# Altium PCB UPS.PcbDoc (part 2 of 2)
Units mm, origin at the board's own origin, x right, y up, seen from the top; angles counter-clockwise.
Board outline 100 x 65 mm, 4 copper layers (L1 (THT), L2 (MIXED), L3 (MIXED), L4 (SMD)), stack 0.568 mm thick; 149 components, 78 nets, 448 pads, 180 vias.
Unrouted connection lines stored in the file: 9.
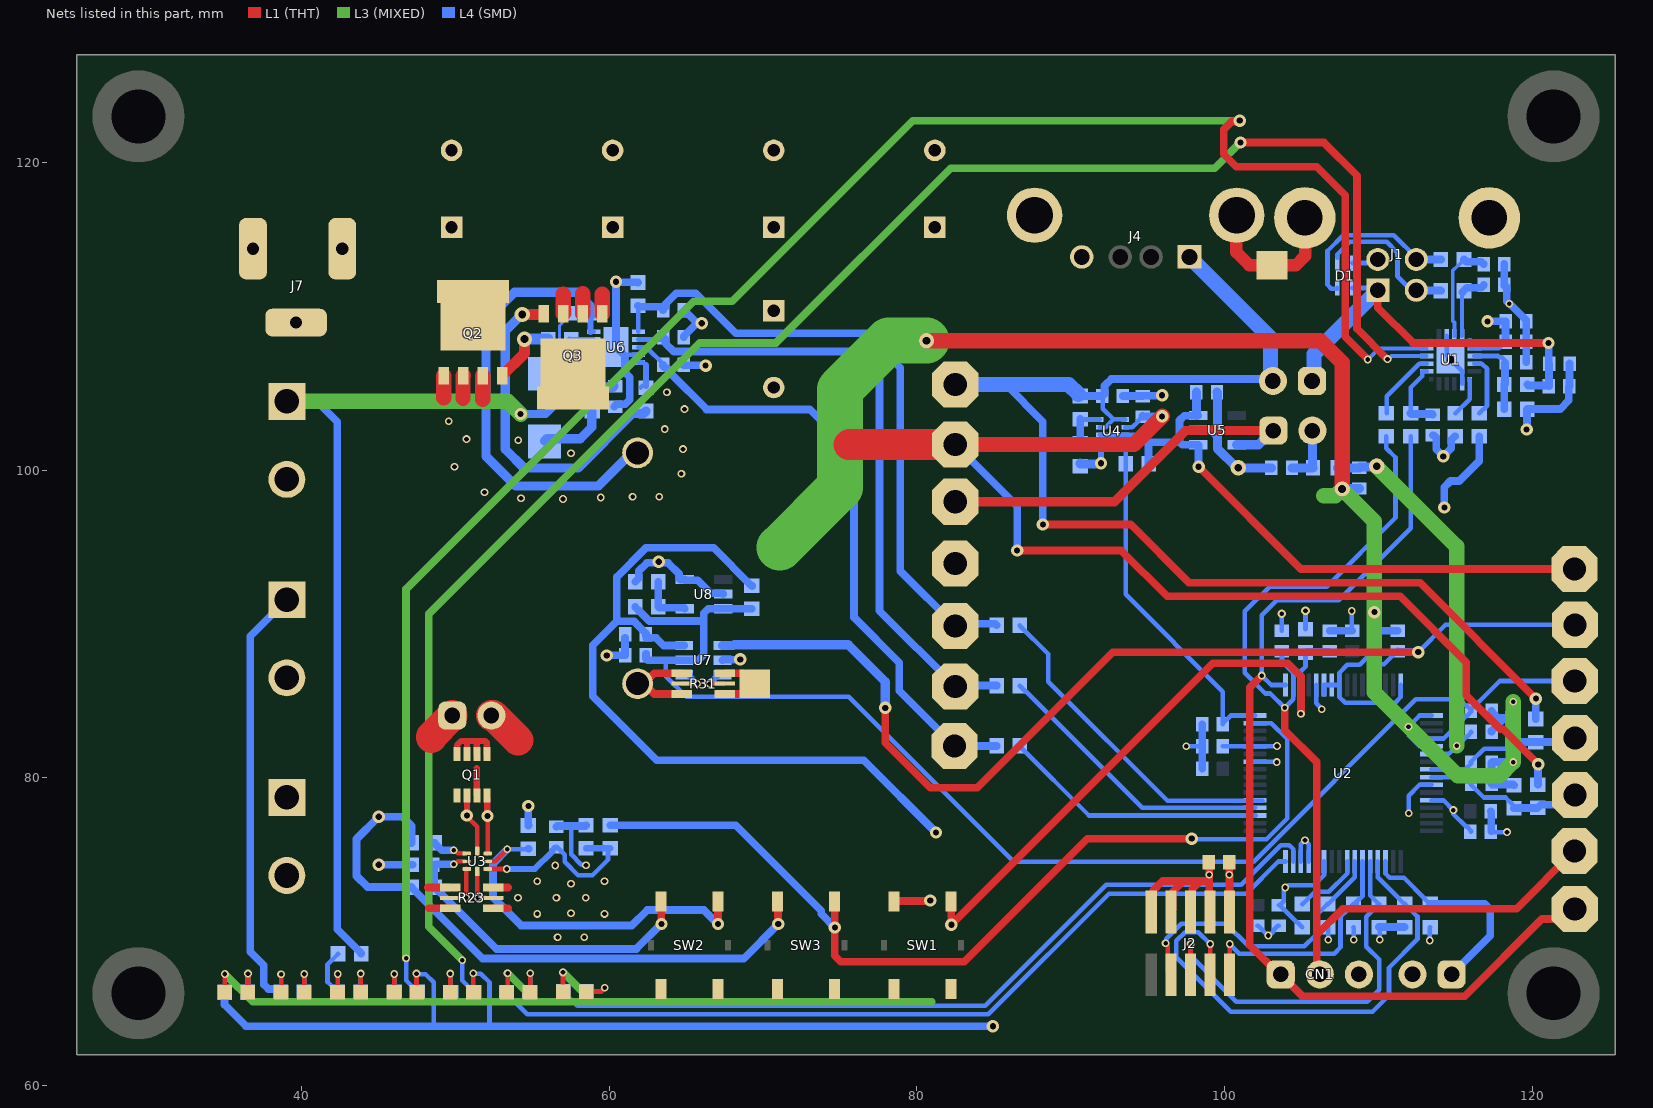
[diagram p4: the nets of this part, all layers, seen from the top]

## Via types
v1: diameter 0.5, hole 0.3, L1 (THT) to L4 (SMD), 84 vias
v2: diameter 0.5, hole 0.5, L1 (THT) to L4 (SMD), 49 vias
v3: diameter 0.8, hole 0.4, L1 (THT) to L4 (SMD), 39 vias
v4: diameter 1, hole 0.5, L1 (THT) to L4 (SMD), 6 vias
v5: diameter 0.56, hole 0.3, L1 (THT) to L4 (SMD), 2 vias

## Nets (pads, with @x,y where several pads share a name; then routed paths per layer and width w, separated by ;. In a path a pad name is that pad's centre, name@x,y a point inside that pad or via, vN(x,y) a via of type N, cw(c..) or ccw(c..) an arc to the next point about the centre after c; other vN are vias at no path point) (continued)
+3V3: C8.2 C9.1 C15.2 C16.2 C17.2 C18.2 C24.2 C41.1 D2.2 D3.2 J2.1 JP3.2 L1.1 R6.1 R11.2 R12.2 R13.2 R14.2 R15.2 R16.2 R17.2 R27.2 R39.1 U1.6 U1.7 U2.28 U2.43 U2.60 U7.6 | length 150.9
  L1 (THT) w0.3: v1(47.475,67.275) 47.475,66.088 D2.2@47.513,66.05 ; v1(51.175,67.3) 51.175,66.058 D3.2@51.183,66.05
  L1 (THT) w0.5: C18.2@100.32,74.525 100.325,74.52 v1(100.325,73.702) 100.335,73.692 J2.1@100.335,71.27
  L4 (SMD) w0.3: v1(47.475,67.275) 47.513,67.237 48.063,67.237 48.6,66.7 48.6,63.925 ; v1(51.175,67.3) 51.213,67.262 51.663,67.262 52.225,66.7 52.225,63.875 ; C17.2@99.895,82.05 U2.60@101.987,82.05 103.4,82.05 v1(103.421,82.071) ; C16.2@103.547,71.72 C16.2@103.601,71.72 ; R12.2@105.068,70.3 104.743,70.625 104.696,70.625 C16.2@103.601,71.72 ; R11.2@105.275,89.65 v5(105.275,90.875) ; U2.43@106.475,74.562 106.475,73.679 105.821,73.025 104.154,73.025 104.004,72.875 v1(103.95,72.875) 103.95,72.821 103.856,72.727 103.856,71.975 C16.2@103.601,71.72 ; R13.2@106.729,70.3 106.75,70.279 v1(106.75,69.475) ; R14.2@108.391,70.3 108.4,70.291 v1(108.4,69.475) ; R15.2@110.052,70.3 110.1,70.252 v1(110.1,69.475) ; v1(113.35,69.425) 113.35,70.275 R17.2@113.375,70.3 ; U2.28@113.463,78.55 114.242,78.55 v1(114.888,77.904) 114.888,77.651 115.718,76.82 115.775,76.82 116.03,76.565 C15.2@116.03,76.508 ; U1.6@115.95,108.425 116,108.375 116,107.975 U1.7@116.05,107.925 ; U1.7@116.25,107.925 117.829,107.925 118.005,108.101 C9.1@118.005,108.35
  L4 (SMD) w0.4: C41.1@62.375,89.08 C41.1@62.395,89.08
  L4 (SMD) w0.5: R27.2@35,66.05 35,65.25 36.4,63.85 v3(84.95,63.85) ; U7.6@64.875,88.6 63.55,88.6 63.045,89.105 62.55,89.105 62.395,89.26 C41.1@62.395,89.325 62.395,89.39 61.886,89.899 61.886,89.902 61.616,90.172 60.494,90.172 ; R39.1@69.3,92.475 R39.1@69.275,92.5 69.25,92.5 66.796,94.954 62.396,94.954 60.494,93.052 60.494,90.172 ; v3(81.25,76.45) 76.558,81.142 63.108,81.142 58.946,85.304 58.946,88.624 60.494,90.172 ; R15.2@110.052,70.3 R16.2@111.714,70.3 ; v3(114.3,97.575) 114.3,98.9 114.701,99.301 115.276,99.301 116.575,100.6 R6.1@116.575,102.2 ; v3(117.1,109.675) C8.2@118.28,109.675 C9.1@118.28,108.35
  L4 (SMD) w0.6: C24.2@104.395,100.15 L1.1@105.75,100.15 105.735,100.165 105.735,102.56 JP3.2@105.72,102.575 JP3.2@105.732,102.588
+3V3A: C14.2 C25.2 L1.2 U2.22 | length 26.1
  L3 (MIXED) w1: v4(109.9,100.25) 115.1,95.05 v1(115.1,82.075)
  L4 (SMD) w0.3: U2.22@113.463,81.55 114.575,81.55 v1(115.1,82.075) ; v1@115.107,82.068 115.71,82.672 115.775,82.672 116.03,82.927 C14.2@116.03,82.992
  L4 (SMD) w0.6: L1.2@107.35,100.15 C25.2@108.775,100.15 108.825,100.2 109.85,100.2 v4(109.9,100.25)
+5V: C26.2 C29.2 C30.2 C31.2 C32.2 C38.2 J4.1 J5.1 J7.1 JP4.2 Q2.3 R24.2 R26.2 R32.1 R40.2 TP5.1 U4.3 U4.5 U6.1 | length 147
  L1 (THT) w0.5: v3(88.2,96.475) 93.9,96.475 97.7,92.675 112.725,92.675 v3(120.25,85.15) ; J4.1@97.73,113.865 J4.1@97.73,114.32
  L3 (MIXED) w1: J5.1@39.05,104.48 53.42,104.48 v3(54.25,103.65)
  L4 (SMD) w0.3: U4.3@91.887,102.8 92.276,102.8 92.788,103.312 ; C26.2@92.055,104.825 92.095,104.785 92.095,104.005 92.788,103.312 ; U4.5@93.551,103.3 93.388,103.3 93.376,103.312 92.788,103.312
  L4 (SMD) w0.4: R32.1@58.9,105.325 58.9,107 U6.1@59,107
  L4 (SMD) w0.5: J5.1@39.05,104.48 41,104.48 42.325,103.155 42.325,70.15 43.875,68.6 R24.2@43.875,68.575 ; v3(54.25,103.65) 55.883,103.65 57.583,105.35 R32.1@58.9,105.35 ; 85.775,105.575 88.2,103.15 v3(88.2,96.475) ; R26.2@90.5,104.95 R26.2@90.625,104.825 C26.2@92.055,104.825 92.21,104.98 92.21,105.485 92.3,105.575 92.3,105.581 92.644,105.925 JP4.2@102.75,105.925 ; R40.2@120.25,83.825 v3(120.25,85.15)
  L4 (SMD) w0.6: R32.1@58.9,105.325 58.973,105.398 60.253,105.398 C38.2@60.325,105.47
  L4 (SMD) w1: TP5.1@82.5,105.575 85.775,105.575 89.875,105.575 R26.2@90.5,104.95 ; J4.1@97.73,113.865 101.255,110.34 102.996,108.599 102.996,106.159 JP4.2@103.155,106
AGND: C14.1 C20.1 C25.1 C39.1 C40.1 C41.2 C42.1 C43.1 C44.2 NT2.2 R43.1 R44.1 R45.1 U2.17 U2.21 U7.2 U8.2 U8.5 | length 113.1
  L1 (THT) w1: v4(80.63,108.425) 106.225,108.425 107.65,107 v4(107.65,98.775)
  L3 (MIXED) w1: NT2.2@106.45,98.35 107.225,98.35 v4(107.65,98.775) 109.75,96.675 109.75,85.548 v1(111.966,83.332) 115.173,80.125 117.875,80.125 v1(118.775,81.025) v1(118.775,84.95)
  L3 (MIXED) w3: 71.091,94.966 75,98.875 75,105.243 78.182,108.425 v4(80.63,108.425)
  L4 (SMD) w0.3: U2.21@113.463,82.05 112.684,82.05 112.004,82.73 112.004,83.294 v1(111.966,83.332) 112.684,84.05 U2.17@113.463,84.05 ; C42.1@117.37,80.975 C42.1@117.42,81.025
  L4 (SMD) w0.5: v3(59.85,87.95) 59.863,87.963 61.03,87.963 61.042,87.963 C44.2@61.055,87.975 ; C44.2@61.03,88.063 C41.2@61.03,89.1 ; R45.1@61.7,92.75 61.925,92.975 61.925,93.45 62.468,93.993 63.168,93.993 v3(63.225,94.05) 63.282,93.993 63.823,93.993 64.565,93.25 64.565,92.95 64.615,92.9 U8.5@64.915,92.9 ; U8.5@64.915,92.85 65.75,92.85 66.6,92 67.365,92 U8.2@67.415,91.95 ; U7.2@67.375,87.65 67.402,87.677 68.498,87.677 v3(68.525,87.704) ; v3(109.75,90.775) C20.1@109.75,89.57 C39.1@111.275,89.57 ; C42.1@117.37,80.975 C43.1@117.37,79.617 117.416,79.571 118.779,79.571 R44.1@118.825,79.525 ; C14.1@117.37,82.992 117.37,83.057 118.217,83.904 ; C40.1@117.37,84.35 117.37,84.285 117.751,83.904 118.217,83.904 ; C42.1@117.42,81.025 v1(118.775,81.025) ; v1(118.775,84.95) R43.1@118.775,83.825 118.696,83.904 118.217,83.904
  L4 (SMD) w0.6: v4(107.65,98.775) 107.667,98.792 108.757,98.792 C25.1@108.775,98.81
BOOT0: R12.1 U2.40 | length 4.5
  L4 (SMD) w0.3: R12.1@105.068,71.8 105.093,71.8 105.891,72.598 106.79,72.598 107.975,73.783 U2.40@107.975,74.562
BOOT1: JP1.1 R17.1 U2.35 | length 13.8
  L4 (SMD) w0.3: U2.35@110.475,74.562 110.475,73.783 110.758,73.5 111.675,73.5 113.025,72.15 113.025,72.125 R17.1@113.35,71.8
  L4 (SMD) w0.5: R17.1@113.35,71.8 R17.1@113.375,71.8 116.92,71.8 117.277,71.443 117.277,69.732 JP1.1@114.77,67.225
D+: C1.2 R1.1 U1.4 | length 6.7
  L4 (SMD) w0.254: U1.4@114.95,108.725 114.95,109.6 114.846,109.704 114.846,112.971 115.202,113.327 115.227,113.327 115.575,113.675 R1.1@115.575,113.7
  L4 (SMD) w0.5: R1.1@115.575,113.7 115.725,113.55 116.705,113.55 C1.2@116.855,113.4
D-: C2.2 R2.1 U1.5 | length 4.5
  L4 (SMD) w0.254: U1.5@115.45,108.725 115.45,111.55 R2.1@115.475,111.575
  L4 (SMD) w0.5: R2.1@115.475,111.575 115.763,111.862 116.7,111.862 116.855,112.018 C2.2@116.855,112.05
DGND: C1.1 C2.1 C3.1 C4.1 C5.1 C6.2 C7.1 C8.1 C9.2 C10.1 C11.1 C12.1 C13.1 C15.1 C16.1 C17.1 C18.1 C19.2 C23.1 C24.1 C26.1 C27.1 C28.1 CN1.3 D1.6 D4.1 D8.1 D9.1 J1.0 J1.4 J2.3 J2.5 J2.7 J2.9 JP1.2 NT1.2 NT2.1 R7.1 R10.1 R30.1 SW1.1 TP14.1 U1.3 U1.12 U1.21 U2.5 U2.26 U2.45 U2.46 U2.58 U4.1 U5.2 | length 133.7
  L1 (THT) w0.3: D4.1@35,66.05 35.025,66.075 v1(35.025,67.25) ; D8.1@53.354,66.05 53.4,66.096 v1(53.4,67.3) ; v1(57,67.35) 57,66.125 D9.1@57.025,66.1
  L1 (THT) w0.5: SW1.1@78.525,71.975 78.55,72 80.85,72 v3(80.875,72.025) ; J2.9@95.255,71.27 95.375,71.39 95.375,72.675 96,73.3 97.349,73.3 ; J2.7@96.525,71.27 96.645,71.39 96.645,72.596 97.349,73.3 ; J2.5@97.795,71.27 97.915,71.39 97.915,72.765 98.45,73.3 ; C18.1@98.98,74.525 99.022,74.483 v1(99.022,73.702) 99.022,73.3 ; J2.3@99.022,71.312 99.022,73.3 ; 97.349,73.3 98.45,73.3 ; 98.45,73.3 99.022,73.3
  L1 (THT) w0.8: NT1.2@103.6,113.325 104.65,113.325 105.25,113.925 105.25,116.375 J1.0@105.225,116.4
  L3 (MIXED) w0.5: v1(35.025,67.25) 36.825,65.45 55.25,65.45 ; v1(53.4,67.3) 55.25,65.45 ; v1(57,67.35) 58.9,65.45 ; 80.975,65.45 58.9,65.45 ; 55.25,65.45 58.9,65.45
  L4 (SMD) w0.3: v1(97.525,82.05) C17.1@98.555,82.05 ; U2.58@101.987,81.05 103.375,81.05 v1(103.4,81.025) ; C10.1@102.125,70.38 102.19,70.38 102.816,69.754 v1(102.85,69.754) ; v1@102.85,69.675 102.866,69.675 103.216,70.025 103.216,70.125 103.471,70.38 C16.1@103.536,70.38 ; C4.1@103.725,89.57 v5(103.725,90.675) ; U2.46@104.975,74.562 104.975,75.675 105.242,75.942 v1(105.242,75.95) ; v1@105.25,75.95 105.25,75.907 105.475,75.682 U2.45@105.475,74.562 ; U2.5@105.975,86.038 105.975,84.854 106.325,84.504 v1(106.325,84.45) ; C11.1@108.275,89.597 v1(108.275,90.85) ; D1.6@108.325,113.47 109.655,113.47 J1.4@109.7,113.425 ; v1(111.975,77.7) 111.975,78.841 112.684,79.55 U2.26@113.463,79.55 ; U1.3@114.45,108.725 114.45,107.425 v2(114.7,107.175) 115.45,106.425 U1.12@115.45,105.625 ; C15.1@117.32,76.5 117.345,76.475 v1(118.375,76.475)
  L4 (SMD) w0.4: U4.1@91.887,101.8 91.975,101.712 v3(91.975,100.45)
  L4 (SMD) w0.5: C26.1@93.395,104.825 93.397,104.823 94.697,104.823 C27.1@94.7,104.82 94.727,104.848 95.923,104.848 v3(95.95,104.875) ; C12.1@98.555,80.6 C17.1@98.555,82.05 C28.1@98.555,83.475 ; C19.2@106.853,89.57 C11.1@108.302,89.57 ; J1.4@109.7,113.425 J1.4@109.975,113.7 ; C3.1@113.55,102.28 113.615,102.28 113.77,102.125 113.77,101.355 v3(114.225,100.9) 114.751,101.426 114.751,101.975 114.976,102.2 R10.1@115.001,102.2 ; C13.1@117.32,77.825 117.345,77.8 C15.1@117.345,76.525 ; C2.1@118.195,111.985 C2.1@118.195,112.05 ; C1.1@118.195,113.4 C2.1@118.195,112.05 ; C7.1@119.62,107.025 C9.2@119.62,108.35 C8.1@119.62,109.675 119.62,109.74 119.062,110.298 119.062,110.301 118.538,110.825 v1(118.525,110.825) 118.35,111 118.35,111.895 C2.1@118.195,112.05 ; v3(119.65,102.65) 119.675,102.675 119.675,103.95 R7.1@119.7,103.975 121.825,103.975 122.392,104.542 122.392,105.422 C6.2@122.42,105.45 122.437,105.467 122.437,106.905 C5.1@122.455,106.923 C5.1@122.44,106.938
  L4 (SMD) w0.6: R30.1@90.625,100.425 90.638,100.412 91.937,100.412 v3(91.975,100.45) ; U5.2@98.3,102.6 99.199,102.6 99.55,102.249 ; C23.1@99.52,105.075 99.55,105.045 99.55,102.249 ; C24.1@103.055,100.15 v4(100.9,100.15) 100.796,100.15 99.55,101.396 99.55,102.249
"Gate EN": R36.1 U2.53 | length 21.6
  L4 (SMD) w0.3: R36.1@86.7,89.925 86.7,89.9 88.55,88.05 88.55,86.25 96.3,78.5 U2.53@102.479,78.5
"Gate High": R33.1 U2.52 | length 18.6
  L4 (SMD) w0.3: R33.1@86.7,86 86.7,85.975 87.025,85.65 87.05,85.65 94.65,78.05 U2.52@101.987,78.05
"Gate Low": R35.1 U2.51 | length 17.2
  L4 (SMD) w0.3: R35.1@86.7,82.05 91.2,77.55 U2.51@102.032,77.55
Gate_Common: C34.1 L2.1 Q2.2 Q3.3 U6.5 | length 34.3
  L1 (THT) w1: 49.245,104.7 Q2.2@49.245,106.15 ; 50.499,104.659 50.499,106.134 Q2.2@50.515,106.15 ; 51.785,104.6 Q2.2@51.785,106.15
  L4 (SMD) w0.3: U6.5@58.795,109 U6.5@59,109
  L4 (SMD) w0.4: U6.5@58.795,109 C34.1@58.795,110.025
  L4 (SMD) w0.6: C34.1@58.795,110.03 58.74,110.085 58.74,110.71 57.875,111.575 53.85,111.575 52,109.725 52,100.9 53.925,98.975 59.3,98.975 L2.1@61.45,101.125
  other v1: 57,98.125 54.275,98.175 59.45,98.225 61.525,98.275 63.25,98.275 51.9,98.575 64.7,99.775 49.95,100.225 57.525,101.1 64.8,101.375 54.1,101.95 50.725,102.025 63.625,102.675 49.575,103.175 64.9,103.975 63.758,105.067
Gate_High: Q2.1 R34.2 | length 4.5
  L1 (THT) w0.7: Q2.1@53.055,106.15 54.5,107.595 v4(54.5,108.525)
  L4 (SMD) w0.7: v4(54.5,108.525) 56.025,108.525 R34.2@56.05,108.5
Gate_Low: Q3.1 R37.2 | length 21.8
  L1 (THT) w0.7: v4(54.35,110.125) 55.695,110.125 Q3.1@55.745,110.175
  L4 (SMD) w0.6: v4(54.35,110.125) 54.327,110.125 53.246,109.044 53.246,101.367 54.465,100.148 57.973,100.148 61.514,103.689 62.239,103.689 R37.2@62.4,103.85
NetC3_2: C3.2 R4.1 U1.17 | length 4.8
  L4 (SMD) w0.3: R4.1@112.103,103.7 112.103,105.378 112.85,106.125 112.85,106.425 U1.17@113.15,106.425
  L4 (SMD) w0.5: R4.1@112.103,103.7 112.143,103.66 113.51,103.66 C3.2@113.55,103.62
NetC21_2: C21.2 R18.1 SW2.1 U3.2 | length 22.2
  L1 (THT) w0.3: v1(49.9,74.375) 49.954,74.375 50.166,74.587 U3.2@50.625,74.587
  L1 (THT) w0.5: SW2.1@63.375,71.975 63.388,71.962 63.388,70.512 v3(63.4,70.5)
  L4 (SMD) w0.5: v1(49.9,74.375) 49.887,74.388 48.725,74.388 48.687,74.35 C21.2@48.57,74.35 48.61,74.31 48.61,72.94 R18.1@48.65,72.9 48.65,72.875 48.875,72.65 48.9,72.65 52.673,68.877 61.777,68.877 v3(63.4,70.5)
NetC22_2: C22.2 R21.1 R22.2 U3.5 | length 12.2
  L1 (THT) w0.3: U3.5@52.1,74.075 v1(53.35,74.075)
  L4 (SMD) w0.3: C22.2@56.575,75.48 56.64,75.48 57.111,75.009 57.111,74.539 57.979,73.671 58.921,73.671 59.926,74.676 59.926,75.276 R21.1@60.075,75.425
  L4 (SMD) w0.4: v1@53.377,74.075 55.17,74.075 56.305,75.21 56.305,75.275 56.51,75.48 C22.2@56.575,75.48 ; R22.2@58.5,75.425 R21.1@60.075,75.425
NetC34_2: C34.2 D7.1 U6.3 | length 7.8
  L4 (SMD) w0.2: D7.1@56.5,106.975 56.75,107.225 56.775,107.25 56.775,109.4 57.2,109.825 57.2,109.83 57.445,110.075 57.45,110.075 C34.2@57.45,110.5
  L4 (SMD) w0.3: 57.392,106.975 58.417,108 U6.3@59,108
  L4 (SMD) w0.4: D7.1@55.8,106.275 56.5,106.975 57.392,106.975
NetC35_2: C35.2 R33.2 TP7.1 U6.7 | length 41.8
  L4 (SMD) w0.3: U6.7@61.9,108.5 C35.2@63.5,108.5
  L4 (SMD) w0.5: C35.2@63.505,108.65 63.66,108.495 63.66,108.265 64.208,107.717 76.058,107.717 77.575,106.2 77.575,90.875 TP7.1@82.5,85.95 82.55,86 R33.2@85.2,86
NetC36_2: C36.2 R35.2 TP8.1 U6.8 | length 41.5
  L4 (SMD) w0.3: U6.8@61.9,108 62.42,108 63.505,106.915 C36.2@63.505,106.85
  L4 (SMD) w0.5: C36.2@63.505,106.85 63.505,106.785 63.66,106.63 63.77,106.63 64.063,106.337 64.063,106.224 66.337,103.95 73.05,103.95 75.925,101.075 75.925,90.425 78.864,87.486 78.864,85.661 TP8.1@82.45,82.075 R35.2@85.2,82.075
NetC37_2: C37.2 R36.2 R38.1 TP9.1 U6.6 | length 42.2
  L4 (SMD) w0.3: U6.6@61.9,109 R38.1@61.9,110.4
  L4 (SMD) w0.5: R38.1@61.875,110.7 61.955,110.62 63.35,110.62 C37.2@63.505,110.465 ; C37.2@63.505,110.4 C37.2@63.505,110.465 ; R36.2@85.2,89.925 85.1,90.025 82.65,90.025 TP9.1@82.5,89.875 78.925,93.45 78.925,106.65 76.675,108.9 68.225,108.9 65.625,111.5 64.375,111.5 63.66,110.785 63.66,110.62 C37.2@63.505,110.465
NetD1_3: D1.3 J1.3 R1.2 | length 11.4
  L4 (SMD) w0.3: D1.3@107.325,111.845 107.325,111.8 106.95,111.8 106.7,112.05 106.7,114.25 107.731,115.281 111.019,115.281 J1.3@112.537,113.763
  L4 (SMD) w0.5: J1.3@112.537,113.763 112.6,113.7 R1.2@114.075,113.7
NetD1_4: D1.4 J1.2 R2.2 | length 9.4
  L4 (SMD) w0.3: D1.4@107.325,113.8 107.325,114.025 108.154,114.854 110.546,114.854 111.25,114.15 111.25,112.598 J1.2@112.3,111.548
  L4 (SMD) w0.5: J1.2@112.5,111.675 112.513,111.688 114.062,111.688 R2.2@114.075,111.675
NetD2_1: D2.1 R8.2 | length 2.4
  L1 (THT) w0.3: D2.1@46.012,66.05 46.025,66.063 v1(46.025,67.25)
  L4 (SMD) w0.3: v1(46.025,67.25) 46.025,66.075 R8.2@46.05,66.05
NetD3_1: D3.1 R9.2 | length 2.5
  L1 (THT) w0.3: v1(49.675,67.275) 49.675,66.058 D3.1@49.683,66.05
  L4 (SMD) w0.3: v1(49.675,67.275) 49.675,66.075 R9.2@49.725,66.025
NetD4_2: D4.2 R27.1 | length 2.5
  L1 (THT) w0.3: D4.2@36.5,66.05 36.525,66.075 v1(36.525,67.275)
  L4 (SMD) w0.3: R27.1@36.5,66.05 36.525,66.075 v1(36.525,67.275)
NetD5_2: D5.2 R28.1 | length 2.4
  L1 (THT) w0.3: D5.2@40.171,66.05 40.175,66.054 v1(40.175,67.25)
  L4 (SMD) w0.3: R28.1@40.15,66.05 40.175,66.075 v1(40.175,67.25)
NetD6_2: D6.2 R29.1 | length 2.5
  L1 (THT) w0.3: D6.2@43.842,66.05 43.85,66.058 v1(43.85,67.275)
  L4 (SMD) w0.3: R29.1@43.85,66.05 v1(43.85,67.275)
NetD7_2: D7.2 R32.2 | length 4.5
  L4 (SMD) w0.6: D7.2@55.8,101.9 55.95,102.05 58.124,102.05 58.875,102.801 R32.2@58.875,103.825
NetD8_2: D8.2 R46.1 | length 2.6
  L1 (THT) w0.3: D8.2@54.854,66.05 54.875,66.071 v1(54.875,67.3)
  L4 (SMD) w0.3: R46.1@54.825,66 54.875,66.05 v1(54.875,67.3)
NetD9_2: D9.2 R47.1 | length 2.6
  L1 (THT) w0.3: D9.2@58.525,66.1 59.45,66.1 59.7,66.35 v1(59.725,66.35)
  L4 (SMD) w0.3: R47.1@58.525,66.1 59.45,66.1 59.7,66.35 v1(59.725,66.35)
NetJP3_1: JP3.1 TP4.1 U5.5 | length 25.8
  L1 (THT) w0.6: TP4.1@82.5,97.95 92.85,97.95 97.475,102.575 JP3.1@103.18,102.575 JP3.1@103.457,102.298
  L4 (SMD) w0.6: U5.5@100.8,101.65 102.216,101.65 103.141,102.575 JP3.1@103.18,102.575
NetL2_2: L2.2 R31.1 | length 5.9
  L1 (THT) w0.5: L2.2@61.85,86.125 L2.2@62.256,86.125 ; R31.1@64.715,85.45 62.931,85.45 L2.2@62.256,86.125 ; R31.1@64.715,86.8 63.775,86.8 62.931,86.8 L2.2@62.256,86.125
NetNT3_1: NT3.1 R31.2 | length 4
  L1 (THT) w0.5: R31.2@67.515,85.45 68.725,85.45 68.975,85.7 NT3.1@68.975,86.125 68.975,86.55 68.725,86.8 68.3,86.8 R31.2@67.515,86.8
NetQ1_2: Q1.2 U3.8 | length 3.7
  L1 (THT) w0.3: v3(50.75,77.55) 50.75,77.486 51.425,76.811 U3.8@51.425,75.225
  L1 (THT) w0.4: v3(50.75,77.55) Q1.2@50.75,78.65
NetQ1_4: Q1.4 U3.7 | length 3.6
  L1 (THT) w0.3: U3.7@52.1,75.1 v3(52.1,77.525)
  L1 (THT) w0.4: Q1.4@52.047,78.65 52.075,78.622 52.075,77.55 v3(52.1,77.525)
NetQ1_5: Q1.5 Q1.6 Q1.7 Q1.8 | length 5.2
  L1 (THT) w0.4: Q1.8@50.1,81.55 50.1,82.107 50.393,82.4 50.896,82.4 ; Q1.7@50.75,81.55 50.75,82.254 50.896,82.4 ; Q1.6@51.4,81.55 51.4,82.4 ; Q1.5@52.05,81.55 52.05,82.288 51.938,82.4 51.4,82.4 ; 50.896,82.4 51.4,82.4
NetR5_1: R5.1 U1.18 | length 4.6
  L4 (SMD) w0.3: R5.1@110.55,103.7 110.55,104.817 112.658,106.925 U1.18@113.15,106.925
NetR6_2: R6.2 U1.9 | length 4.1
  L4 (SMD) w0.3: U1.9@116.25,106.925 116.742,106.925 117.075,106.592 117.075,104.2 R6.2@116.575,103.7
NetR8_1: R8.1 U1.20 | length 120.7
  L1 (THT) w0.5: v3(101,122.725) 100.943,122.668 100.468,122.668 99.95,122.15 99.95,120.55 100.775,119.725 106,119.725 107.85,117.875 107.85,108.675 v1(109.325,107.2)
  L3 (MIXED) w0.5: v1(46.8,68.275) 46.8,92.275 65.5,110.975 67.998,110.975 79.748,122.725 v3(101,122.725)
  L4 (SMD) w0.254: v1(109.325,107.2) 110.05,107.925 U1.20@113.15,107.925
  L4 (SMD) w0.3: v1(46.8,68.275) 46.8,66.825 47.55,66.075 R8.1@47.55,66.05
NetR9_1: R9.1 U1.19 | length 115.2
  L1 (THT) w0.5: v3(101.04,121.306) 106.469,121.306 108.625,119.15 108.625,109.2 v1(110.6,107.225)
  L3 (MIXED) w0.5: v1(50.45,68.15) 48.275,70.325 48.275,90.65 65.9,108.275 70.85,108.275 82.2,119.625 99.359,119.625 v3(101.04,121.306)
  L4 (SMD) w0.254: v1(110.6,107.225) 110.667,107.225 110.867,107.425 U1.19@113.15,107.425
  L4 (SMD) w0.3: v1(50.45,68.15) 50.45,66.825 51.225,66.05 R9.1@51.225,66.025
NetR10_2: R10.2 U1.11 | length 2.6
  L4 (SMD) w0.3: R10.2@115.001,103.7 115.026,103.7 115.95,104.624 U1.11@115.95,105.925
NetR19_1: R19.1 U3.1 | length 2.3
  L1 (THT) w0.3: v1(49.9,75.3) 49.954,75.3 50.154,75.1 U3.1@50.625,75.1
  L4 (SMD) w0.5: R19.1@48.65,75.775 48.65,75.75 48.875,75.525 48.9,75.525 49.125,75.3 v1(49.9,75.3)
NetR20_1: R20.1 SW2.2 U3.6 | length 24.2
  L1 (THT) w0.3: U3.6@52.1,74.575 52.6,74.575 v1(53.375,75.35)
  L1 (THT) w0.5: v3(67.075,70.5) SW2.2@67.075,71.975
  L4 (SMD) w0.3: v1(53.375,75.35) 54.705,75.35 R20.1@54.755,75.4
  L4 (SMD) w0.5: v1(53.375,75.35) 52.45,74.425 52.45,72.225 54.275,70.4 61.475,70.4 62.479,71.404 66.171,71.404 v3(67.075,70.5) ; R20.1@54.755,75.4 R20.1@54.78,75.4
NetR23_3: R23.3 U3.3 | length 2.4
  L1 (THT) w0.3: R23.3@50.2,72.2 v1(50.7,72.2) 50.7,74.05 50.725,74.075 U3.3@50.75,74.075
NetR23_4: R23.4 U3.4 | length 2.2
  L1 (THT) w0.3: U3.4@51.425,73.925 51.425,72.229 v1(51.454,72.2) R23.4@51.95,72.2
NetR24_1: R24.1 R29.2 | length 3.1
  L4 (SMD) w0.3: R29.2@42.35,66.05 42.35,66.075 41.696,66.729 41.696,67.871 42.375,68.55 R24.1@42.375,68.575
NetR26_1: R26.1 R30.2 U4.4 | length 2.7
  L4 (SMD) w0.3: R26.1@90.625,103.375 90.7,103.3 U4.4@91.887,103.3
  L4 (SMD) w0.5: R30.2@90.625,101.95 R26.1@90.625,103.325
NetR34_1: R34.1 U6.4 | length 1.6
  L4 (SMD) w0.3: R34.1@57.425,108.55 57.475,108.5 U6.4@59,108.5
NetR37_1: R37.1 U6.10 | length 2.1
  L4 (SMD) w0.3: U6.10@61.9,107 62.224,107 62.4,106.824 ; R37.1@62.05,105.375 R37.1@62.15,105.475
  L4 (SMD) w0.4: R37.1@62.4,105.465 62.4,106.824
NetR42_1: R42.1 R45.2 U8.4 | length 3.4
  L4 (SMD) w0.5: R45.2@63.2,92.75 R42.1@63.2,91.125 63.275,91.05 64.865,91.05 U8.4@64.915,91
NetR46_2: R46.2 U2.48 | length 55.4
  L4 (SMD) w0.3: R46.2@53.325,66 53.325,65.975 54.675,64.625 84.65,64.625 92.5,72.475 101.425,72.475 103.512,74.562 U2.48@103.975,74.562
NetR47_2: R47.2 U2.47 | length 53.1
  L4 (SMD) w0.3: R47.2@57.025,66.1 57.025,66.075 57.925,65.175 84.446,65.175 92.319,73.048 101.098,73.048 103.675,75.625 104.225,75.625 104.475,75.375 U2.47@104.475,74.562
"Path Status": C28.2 R25.2 U2.64 U4.8 | length 23.3
  L4 (SMD) w0.3: U4.8@93.563,101.8 93.575,101.8 R25.2@93.575,100.4 ; R25.2@93.575,100.425 93.575,91.925 99.895,85.605 C28.2@99.895,83.54 ; C28.2@99.895,83.475 C28.2@99.895,83.54 ; U2.64@101.987,84.05 100.405,84.05 C28.2@99.895,83.54
PGND: C22.1 C29.1 C30.1 C31.1 C32.1 C33.1 C35.1 C36.1 C37.1 C38.1 D5.1 D6.1 J4.4 J4.5 J5.2 J6.2 J7.2 J7.3 NT1.1 Q3.2 R22.1 R23.2 R38.2 U6.9 U6.11 | length 33.4
  L1 (THT) w0.3: D5.1@38.671,66.05 38.675,66.054 v1(38.675,67.225) ; D6.1@42.342,66.05 42.35,66.058 v1(42.35,67.25)
  L1 (THT) w0.5: R23.2@52.475,71.525 53.425,71.525 ; R23.2@52.475,72.875 53.425,72.875
  L1 (THT) w0.8: J4.5@100.8,116.575 100.775,116.55 100.775,114.175 101.625,113.325 NT1.1@102.6,113.325
  L1 (THT) w1: Q3.2@57.015,110.175 57.015,111.45 ; Q3.2@58.285,110.175 58.285,111.475 ; Q3.2@59.555,110.175 59.555,111.45
  L4 (SMD) w0.3: 57.538,76.873 57.538,75.021 58.195,74.363 58.462,74.363 v1(58.5,74.325) ; U6.11@61.072,107.5 U6.9@61.9,107.5
  L4 (SMD) w0.5: C22.1@56.575,76.82 56.628,76.873 57.538,76.873 58.448,76.873 R22.1@58.5,76.925 ; C38.1@60.325,104.13 60.48,104.285 61.057,104.285 61.35,104.578 61.35,106.05 61.018,106.382 61.018,107.432 U6.11@60.45,108 v3(60.45,112.25) 60.475,112.225 61.85,112.225 R38.2@61.875,112.2 ; C36.1@64.845,106.85 64.87,106.825 66.25,106.825 v3(66.275,106.8) ; C35.1@64.845,108.65 64.845,108.715 65.623,109.493 65.794,109.493 65.968,109.493 v3(66.025,109.55) ; C37.1@64.89,110.29 65,110.18 65.11,110.18 65.636,109.654
  other v1: 56.65,69.646 58.375,69.646 55.325,71.154 59.7,71.154 57.525,71.2 54.075,72.2 56.575,72.2 58.475,72.2 57.525,73.125 55.325,73.275 59.7,73.275 56.5,74.305
"Read 5V": C42.2 R40.1 R43.2 TP12.1 U2.24 | length 10.3
  L4 (SMD) w0.3: U2.24@113.463,80.55 115.67,80.55 116.03,80.91 C42.2@116.03,80.975 116.03,81.04 116.89,81.9 118.325,81.9 118.75,82.325 R43.2@118.775,82.325
  L4 (SMD) w0.5: R43.2@118.775,82.325 R40.1@120.25,82.325 122.54,82.325 TP12.1@122.8,82.585
"Read Battery": C43.2 R41.1 R44.2 TP13.1 U2.25 | length 10.3
  L4 (SMD) w0.3: U2.25@113.463,80.05 115.662,80.05 116.03,79.682 C43.2@116.03,79.617 ; C43.2@116.03,79.552 116.857,78.725 118.275,78.725 R44.2@118.725,78.275
  L4 (SMD) w0.5: R44.2@118.825,78.025 118.838,78.038 R41.1@120.337,78.038 ; R41.1@120.375,78.05 120.569,78.244 122.154,78.244 TP13.1@122.8,78.89
"Read Current": C39.2 TP10.1 U2.12 U7.1 | length 70.5
  L1 (THT) w0.5: v3(77.95,84.55) 77.95,82.275 80.875,79.35 83.925,79.35 92.75,88.175 v3(112.6,88.175)
  L4 (SMD) w0.3: U2.12@109.475,86.038 109.475,86.817 110.054,87.396 110.376,87.396 111.21,88.23 C39.2@111.275,88.23 ; v3(112.6,88.175) 114.375,89.95 TP10.1@122.8,89.95
  L4 (SMD) w0.5: C39.2@111.275,88.23 111.302,88.203 112.573,88.203 v3(112.6,88.175)
  L4 (SMD) w0.6: U7.1@67.375,88.6 68.072,88.6 68.13,88.658 75.542,88.658 77.95,86.25 v3(77.95,84.55)
SERIAL_RX: C4.2 CN1.2 R5.2 TP2.1 U2.2 | length 66.9
  L1 (THT) w0.5: v1(103.925,84.55) 103.925,83.1 105.996,81.029 105.996,69.787 ; CN1.2@106.2,67.225 105.996,67.429 105.996,67.985 105.996,69.787 ; TP2.1@122.75,75.25 119,71.5 107.709,71.5 105.996,69.787
  L4 (SMD) w0.3: C4.2@103.725,88.23 103.741,88.214 103.741,87.551 104.475,86.817 104.475,85.1 v1(103.925,84.55) 102.991,85.484 102.666,85.484 101.325,86.825 101.325,90.825 102.936,92.436 106.661,92.436 111.125,96.9 111.125,100.825 110.525,101.425 R5.2@110.525,102.2
SERIAL_TX: CN1.1 R4.2 TP1.1 U2.1 | length 66.4
  L1 (THT) w0.5: v1(102.425,86.65) 101.65,85.875 101.65,69.123 103.548,67.225 CN1.1@103.66,67.225 105.078,65.807 115.625,65.807 120.647,70.829 122.129,70.829 TP1.1@122.775,71.475
  L4 (SMD) w0.3: U2.1@103.975,86.038 103.037,86.038 v1(102.425,86.65) 102.425,90.575 103.409,91.559 107.434,91.559 112.103,96.228 R4.2@112.103,102.2
"System Reset": R21.2 SW3.2 U2.63 | length 62.2
  L1 (THT) w0.5: SW3.2@74.65,71.975 74.662,71.962 74.662,70.487 74.675,70.475 74.675,68.425 75.05,68.05 83.075,68.05 91.075,76.05 v3(97.875,76.05)
  L4 (SMD) w0.3: v3(97.875,76.05) 97.907,76.018 102.734,76.018 104.075,77.359 104.075,82.525 103.05,83.55 U2.63@101.987,83.55
  L4 (SMD) w0.5: R21.2@60.075,76.925 68.225,76.925 73.787,71.363 73.787,71.159 v3(74.675,70.271)
TCK: J2.4 R16.1 U2.36 | length 32.1
  L1 (THT) w0.3: J2.4@99.065,67.2 99.07,67.205 99.07,69.195 v1(99.075,69.2)
  L4 (SMD) w0.3: v1(99.075,69.2) 98.3,69.975 97.45,69.975 96.875,69.4 96.875,68.35 100.425,64.8 109.625,64.8 110.7,65.875 110.7,67.65 112.55,69.5 112.55,70.989 111.739,71.8 R16.1@111.714,71.8 111.689,71.8 111.364,72.125 111.364,72.136 109.975,73.525 U2.36@109.975,74.562
TDI: J2.8 R13.1 U2.39 | length 19.4
  L1 (THT) w0.3: v1(96.175,69.25) 96.175,69.196 96.326,69.045 96.326,67.441 96.305,67.42 J2.8@96.525,67.2
  L4 (SMD) w0.3: v1(96.175,69.25) 96.213,69.288 96.213,69.538 97.2,70.525 100.1,70.525 101.575,69.05 105.2,69.05 105.9,69.75 105.9,70.996 106.704,71.8 R13.1@106.729,71.8 ; R13.1@106.754,71.8 107.079,72.125 107.079,72.15 108.475,73.546 U2.39@108.475,74.562
TDO: J2.6 R15.1 U2.37 | length 25.9
  L1 (THT) w0.3: J2.6@97.795,67.2 97.797,67.202 97.797,69.197 v1(97.8,69.2)
  L4 (SMD) w0.3: v1(97.8,69.2) 97.8,68.425 100.775,65.45 109.275,65.45 110.058,66.233 110.058,68.192 109.225,69.025 109.225,70.973 109.702,71.45 109.702,71.475 R15.1@110.027,71.8 ; U2.37@109.475,74.562 109.475,72.352 R15.1@110.027,71.8 ; R15.1@110.052,71.8 R15.1@110.027,71.8
TMS: J2.2 R14.1 U2.38 | length 15.9
  L1 (THT) w0.3: J2.2@100.335,67.2 100.342,67.208 100.342,69.192 v1(100.35,69.2)
  L4 (SMD) w0.3: v1(100.35,69.2) 100.35,69.175 100.952,68.573 107.148,68.573 107.55,68.975 107.55,70.959 108.041,71.45 108.041,71.475 108.366,71.8 108.416,71.8 R14.1@108.503,71.713 ; R14.1@108.591,71.8 108.591,71.975 108.741,72.125 108.799,72.125 108.975,72.301 U2.38@108.975,74.562
Vbatt+: J3.1 JP2.1 Q1.1 R18.2 R19.2 SW3.1 | length 41.7
  L1 (THT) w0.5: v3@70.975,70.525 SW3.1@70.975,71.95
  L1 (THT) w0.51: SW3.1@70.95,71.975 SW3.1@70.975,71.95 ; v3@70.975,70.525 v3(71,70.5)
  L1 (THT) w2: 48.45,82.625 48.45,82.695 JP2.1@49.805,84.05
  L4 (SMD) w0.5: R18.2@47.15,72.9 47.15,72.875 51.775,68.25 68.75,68.25 v3(71,70.5)
  L4 (SMD) w0.51: v3(45.025,77.475) 43.575,76.025 43.575,73.625 44.3,72.9 R18.2@47.15,72.9 ; v3@45.375,77.475 46.55,77.475 47.15,76.875 R19.2@47.15,75.775
Vbatt-: C21.1 J3.2 R23.1 | length 5.1
  L1 (THT) w0.5: 48.225,72.875 R23.1@49.675,72.875 ; 48.275,71.525 R23.1@49.675,71.525
  L4 (SMD) w0.5: v3(45.025,74.35) C21.1@47.23,74.35
Vbus: C7.2 R3.1 R7.2 U1.8 | length 5.3
  L4 (SMD) w0.3: U1.8@116.25,107.425 117.8,107.425 117.88,107.345 118.025,107.345 118.24,107.13 C7.2@118.24,106.985
  L4 (SMD) w0.5: R7.2@118.2,103.975 R3.1@118.2,105.575 118.24,105.615 C7.2@118.24,106.985
Vim: R31.3 U7.4 | length 1.8
  L1 (THT) w0.3: R31.3@64.715,86.124 64.716,86.126 v1(65.725,86.125)
  L4 (SMD) w0.4: U7.4@65.25,86.725 65.25,86.6 v1(65.725,86.125)
Vip: R31.4 U7.3 | length 1.8
  L1 (THT) w0.3: v1(66.525,86.125) 67.514,86.125 R31.4@67.515,86.124
  L4 (SMD) w0.4: v1(66.525,86.125) 67,86.6 U7.3@67,86.725
Vpack: C27.2 C33.2 J6.1 JP2.2 NT3.2 Q1.3 R20.2 R28.2 R41.2 TP6.1 U4.6 | length 107.8
  L1 (THT) w0.4: Q1.3@51.4,78.85 51.4,80.625
  L1 (THT) w0.5: v3(86.525,94.775) 93.3,94.775 96.275,91.8 111.425,91.8 115.725,87.5 115.725,85.375 117.946,83.154 118.121,83.154 v3(120.4,80.875)
  L1 (THT) w1: TP6.1@82.5,101.675 94.125,101.675 v3(95.95,103.5)
  L1 (THT) w2: JP2.2@52.345,84.05 52.475,84.05 54.075,82.45 ; 75.6,101.65 75.625,101.675 TP6.1@82.5,101.675
  L4 (SMD) w0.3: U4.6@93.563,102.8 94.02,102.8 94.38,103.16 94.38,103.225 C27.2@94.68,103.525
  L4 (SMD) w0.5: R28.2@38.65,66.05 38.65,66.054 38.425,66.279 37.843,66.279 37.55,66.571 37.55,67.825 36.675,68.7 36.675,89.205 J6.1@39.05,91.58 ; v3(54.75,78.175) 54.752,78.173 54.752,76.902 R20.2@54.755,76.9 ; TP6.1@82.5,101.675 86.525,97.65 v3(86.525,94.775) ; C27.2@94.68,103.525 94.715,103.49 95.94,103.49 v3(95.95,103.5) ; R41.2@120.375,79.55 120.388,79.563 120.388,80.863 v3(120.4,80.875)
Vref: C40.2 C44.1 R39.2 R42.2 TP11.1 U2.20 U7.5 U8.3 | length 89
  L4 (SMD) w0.3: 63.69,87.65 63.69,86.618 65.033,85.275 75.575,85.275 86.3,74.55 101.9,74.55 112.45,85.1 115.28,85.1 115.71,84.67 115.775,84.67 C40.2@116.03,84.415 ; U2.20@113.463,82.55 114.242,82.55 115.722,84.03 115.775,84.03 C40.2@116.03,84.285 ; C40.2@116.03,84.35 C40.2@116.03,84.415 ; TP11.1@122.775,86.3 117.915,86.3 C40.2@116.03,84.415
  L4 (SMD) w0.5: R42.2@61.7,91.125 61.7,91.1 61.925,90.875 61.942,90.875 62.62,90.197 66.15,90.197 ; C44.1@62.395,88.075 62.395,87.76 62.505,87.65 63.69,87.65 U7.5@64.875,87.65 64.88,87.655 65.807,87.655 66.15,87.998 66.15,90.197 ; R39.2@69.275,91 U8.3@67.415,91 66.443,91 66.15,90.707 66.15,90.197
VREFHI: C20.2 U2.6 U2.7 U2.8 U2.16 | length 11.1
  L4 (SMD) w0.3: U2.6@106.475,85.45 U2.6@106.475,86.038 U2.7@106.975,86.038 U2.8@107.475,86.038 ; C20.2@109.75,88.23 109.685,88.23 108.796,87.341 107.999,87.341 107.475,86.817 U2.8@107.475,86.038 ; U2.16@111.475,86.038 111.475,85.259 111.101,84.884 107.849,84.884 107.475,85.259 U2.8@107.475,86.038
Vswitch: C23.2 R25.1 TP3.1 U4.2 U4.7 U5.1 U5.3 | length 41
  L1 (THT) w0.5: v3(98.325,100.225) 104.975,93.575 TP3.1@122.75,93.575
  L4 (SMD) w0.3: U4.2@91.887,102.3 U4.7@93.563,102.3 94.445,102.3
  L4 (SMD) w0.5: 94.445,102.3 95.069,101.676 ; R25.1@95.075,100.425 95.069,100.431 95.069,101.676 ; U5.3@98.3,103.55 98.18,103.55 97.399,103.55 97.082,103.232 97.082,101.825 ; v3(98.325,100.225) 98.313,100.237 98.313,101.638 U5.1@98.3,101.65 97.257,101.65 97.082,101.825 ; 95.069,101.676 95.219,101.825 97.082,101.825
  L4 (SMD) w0.6: U5.3@98.18,103.55 C23.2@98.18,105.075
Vusb: C5.2 C6.1 D1.1 J1.1 JP4.1 R3.2 | length 26.6
  L1 (THT) w0.5: J1.1@109.975,111.7 109.975,110.566 112.266,108.275 v3(121.075,108.275)
  L4 (SMD) w0.3: D1.1@108.325,111.845 J1.1@109.975,111.845
  L4 (SMD) w0.5: R3.2@119.7,105.575 119.763,105.512 121.017,105.512 C6.1@121.08,105.45 121.097,105.467 121.097,106.905 C5.2@121.115,106.923 121.095,106.943 121.095,108.255 v3(121.075,108.275)
  L4 (SMD) w1: JP4.1@105.695,106 105.826,106.131 105.826,107.551 J1.1@109.975,111.7
XRSN: C19.1 R11.1 SW1.2 U2.3 | length 39.7
  L1 (THT) w0.5: SW1.2@82.225,71.975 82.237,71.962 82.237,70.463 v3(82.25,70.45) 99.25,87.45 104.125,87.45 104.975,86.6 v1(104.975,84.175)
  L4 (SMD) w0.3: v1(104.975,84.175) 104.975,86.921 105.275,87.221 R11.1@105.275,88.15
  L4 (SMD) w0.5: R11.1@105.315,88.19 C19.1@106.813,88.19
pads on no net: D1.2 D1.5 H1.H1 H2.H2 H3.H3 H4.H4 J2.10 J4.2 J4.3 SW1.3 SW2.3 SW3.3 U1.1 U1.2 U1.10 U1.13 U1.14 U1.15 U1.16 U2.9 U2.10 U2.11 U2.13 U2.14 U2.15 U2.18 U2.19 U2.23 U2.29 U2.30 U2.31 U2.32 U2.33 U2.34 U2.41 U2.42 U2.49 U2.50 U2.54 U2.55 U2.56 U2.57 U2.61 U2.62 U5.4 U6.2 U8.1
copper on no net:
  other v2: 29.4,63.625 121.4,63.625 28.212,63.943 30.588,63.943 120.213,63.943 122.588,63.943 27.343,64.812 31.457,64.812 119.343,64.812 123.457,64.812 27.025,66 31.775,66 119.025,66 123.775,66 27.343,67.187 31.457,67.187 119.343,67.187 123.457,67.187 28.213,68.057 30.588,68.057 120.213,68.057 122.588,68.057 29.4,68.375 121.4,68.375 29.4,120.625 121.4,120.625 28.212,120.943 30.588,120.943 120.213,120.943 122.588,120.943 27.343,121.812 31.457,121.812 119.343,121.812 123.457,121.812 27.025,123 31.775,123 119.025,123 123.775,123 27.343,124.187 31.457,124.187 119.343,124.187 123.457,124.187 28.213,125.057 30.588,125.057 120.213,125.057 122.588,125.057 29.4,125.375 121.4,125.375

## Polygon pours and split planes (outlines as drawn)
Gate_Common on L1 (THT) "GATE_COMMON_L01_P004" (solid, pour order 4): 48.725,105.325 54.55,105.325 55.525,108.55 63.325,108.55 65.717,106.158 65.717,99.367 63.818,97.468 51.475,97.475 48.725,100.225
+5V on L1 (THT) "+5V_L01_P016" (solid, pour order 16): 87.75,118.55 92.038,115.075 95.75,115.125 96.275,114.6 96.275,113.2 96.989,112.486 98.389,112.486 99.225,113.416 99.225,119.35 92.575,126 87.775,126
+5V on L1 (THT) "+5V_L01_P002" (solid, pour order 2): 88.975,124.8 88.975,119.775 87.75,118.55 49.725,118.55 48.225,117.05 48.225,113.637 49.525,112.363 53.25,112.375 53.25,107.769 49.075,107.775 48.05,106.75 48.05,104.1 45.225,101.275 37.3,101.275 35.925,102.65 35.922,107.222 36.9,108.2 41.6,108.2 42.15,108.75 42.15,111.65 41.35,112.45 41.35,116.5 42.3,117.45 42.378,121.703 46.675,126 87.775,126
Vbatt+ on L1 (THT) "VBATT+_L01_P007" (solid, pour order 7): 36.625,77.7 37.875,76.45 47.825,76.45 50.925,79.55 50.925,80.85 47.825,83.95 37.875,83.95 36.625,82.7
Vpack on L1 (THT) "VPACK_L01_P005" (solid, pour order 5): 76.775,77.7 75.525,76.45 55.499,76.45 51.225,79.158 51.225,81.249 55.487,83.95 69.05,83.95 69.95,84.85 69.95,87.425 67.955,89.42 37.575,89.42 36.823,90.172 36.823,95.776 37.571,96.525 64.353,96.528 66.775,98.95 66.775,106.15 67.8,107.175 75.525,107.175 76.775,105.925
PGND on L1 (THT) "PGND_L01_P003" (solid, pour order 3): 77.7,110.55 75.525,108.375 68.025,108.375 65.2,111.2 56.018,111.2 53.7,112.875 49.725,112.875 48.725,113.875 48.725,116.8 49.975,118.05 87.75,118.05 88.975,116.825 88.975,111.775 87.75,110.55
PGND on L1 (THT) "PGND_L01_P013" (solid, pour order 13): 59.1,75.95 56.25,75.95 53.425,73.125 53.425,71.275 56.25,68.45 59.1,68.45 61.125,70.475 61.125,73.925
Vbatt- on L1 (THT) "VBATT-_L01_P012" (solid, pour order 12): 37.875,75.95 45.875,75.95 48.7,73.125 48.7,71.275 45.875,68.45 37.875,68.45 36.625,69.7 36.625,74.7
NetL2_2 on L1 (THT) "NETL2_2_L01_P008" (solid, pour order 8): 63.75,85.2 63.75,87.05 61.775,87.05 61.775,85.2
+3V3 on L2 (MIXED) "+3V3_L02_P015" (solid, pour order 15): 125.4,62 80.175,62 80.175,106.8 103.6,106.8 103.6,127 125.4,127
PGND on L2 (MIXED) "PGND_L02_P010" (solid, pour order 10): 25.4,62 79.175,62 79.175,107.8 102.55,107.8 102.55,127 25.4,127
DGND on L3 (MIXED) "DGND_L03_P017" (solid, pour order 17): 125.4,62 80.175,62 80.175,106.8 103.6,106.8 103.6,127 125.4,127
AGND on L3 (MIXED) "AGND_L03_P011" (solid, pour order 11): 57,94.7 59.575,97.275 71.357,97.275 73.425,95.266 73.425,85.575 71.025,83.175 59.375,83.175 57,85.55

## Keep-outs
L1 (THT):
  region: 125.4,62 125.4,127 124.675,127 124.675,62
  rectangle: 24.925,62 124.925,62.725
  rectangle: 25.4,126.275 125.4,127
  region: 26.125,62 26.125,127 25.4,127 25.4,62
L4 (SMD):
  region: 125.4,62.725 25.4,62.725 25.4,62 125.4,62
  region: 125.4,127 25.4,127 25.4,126.275 125.4,126.275
  region: 125.4,62 125.4,127 124.675,127 124.675,62
  region: 26.125,62 26.125,127 25.4,127 25.4,62

## Silkscreen, mask and mechanical layers (free items; w line width, h text height)
Top Overlay:
  text "Bidirectional Power Supply" at 33.379,124.412 h1.52
  text "Rev A" at 34.542,120.563 h2
  text "5V IN" at 26.404,117.775 h1.52 r270
  text "5V OUT" at 88.525,110.384 h1.52
  text "HIGH SIDE" at 26.404,107.7 h1.52 r270
  text "USB IN" at 106.137,107.459 h1.52
  text "USB PWR" at 107.929,105.038 h1.52
  text "+5V" at 84.704,104.804 h1.52
  text "EN +3V3" at 107.979,101.829 h1.52
  text "Vpack" at 84.704,100.887 h1.52
  text "3V3" at 84.954,97.279 h1.52
  text "LOW SIDE" at 26.404,94.981 h1.52 r270
  text "DGND" at 84.804,93.004 h1.52
  text "Vswitch" at 110.879,92.979 h1.52
  text "Read Current" at 103.179,89.404 h1.52
  text "EN Gate" at 84.929,89.004 h1.52
  text "Read Ref" at 109.604,85.529 h1.52
  text "High Gate" at 84.729,85.112 h1.52
  text "BATT IN" at 26.404,82.09 h1.52 r270
  text "Read 5V" at 110.554,81.829 h1.52
  text "Low Gate" at 84.704,81.329 h1.52
  text "Read Batt" at 108.129,78.204 h1.52
  text "RX" at 117.979,74.479 h1.52
  text "TX" at 117.829,70.704 h1.52
  text "BOOT" at 111.05,63.567 h1.52
  text "JTAG" at 94,63.517 h1.52
  text "UART" at 102.55,63.492 h1.52
  text "+3V3" at 34.05,63.167 h1.52
  text "VPACK" at 37.73,63.167 h1
  text "+5V" at 41.384,63.167 h1.52
  text "RX" at 45.039,63.167 h1.52
  text "TX" at 48.694,63.167 h1.52
  text "LED1" at 52.349,63.167 h1.52
  text "LED2" at 56.075,63.167 h1.52
  text "BATT ON" at 61.575,63.142 h1.52
  text "BATT OFF" at 69.15,63.142 h1.52
  text "RESET" at 76.725,63.142 h1.52
Bottom Overlay:
  drawing of 13 lines, arcs and shapes, not listed
  text "Made by Daniel Sinko" at 116.946,123.787 h1.52